# Altium PCB Notecarrier AF.PcbDoc (part 3 of 3)
Units mm, origin at the board's own origin, x right, y up, seen from the top; angles counter-clockwise.
Board outline 76.25 x 103 mm, 4 copper layers (Top Layer, Ground Plane, Power Plane, Bottom Layer), stack 1.43 mm thick; 84 components, 89 nets, 445 pads, 436 vias.
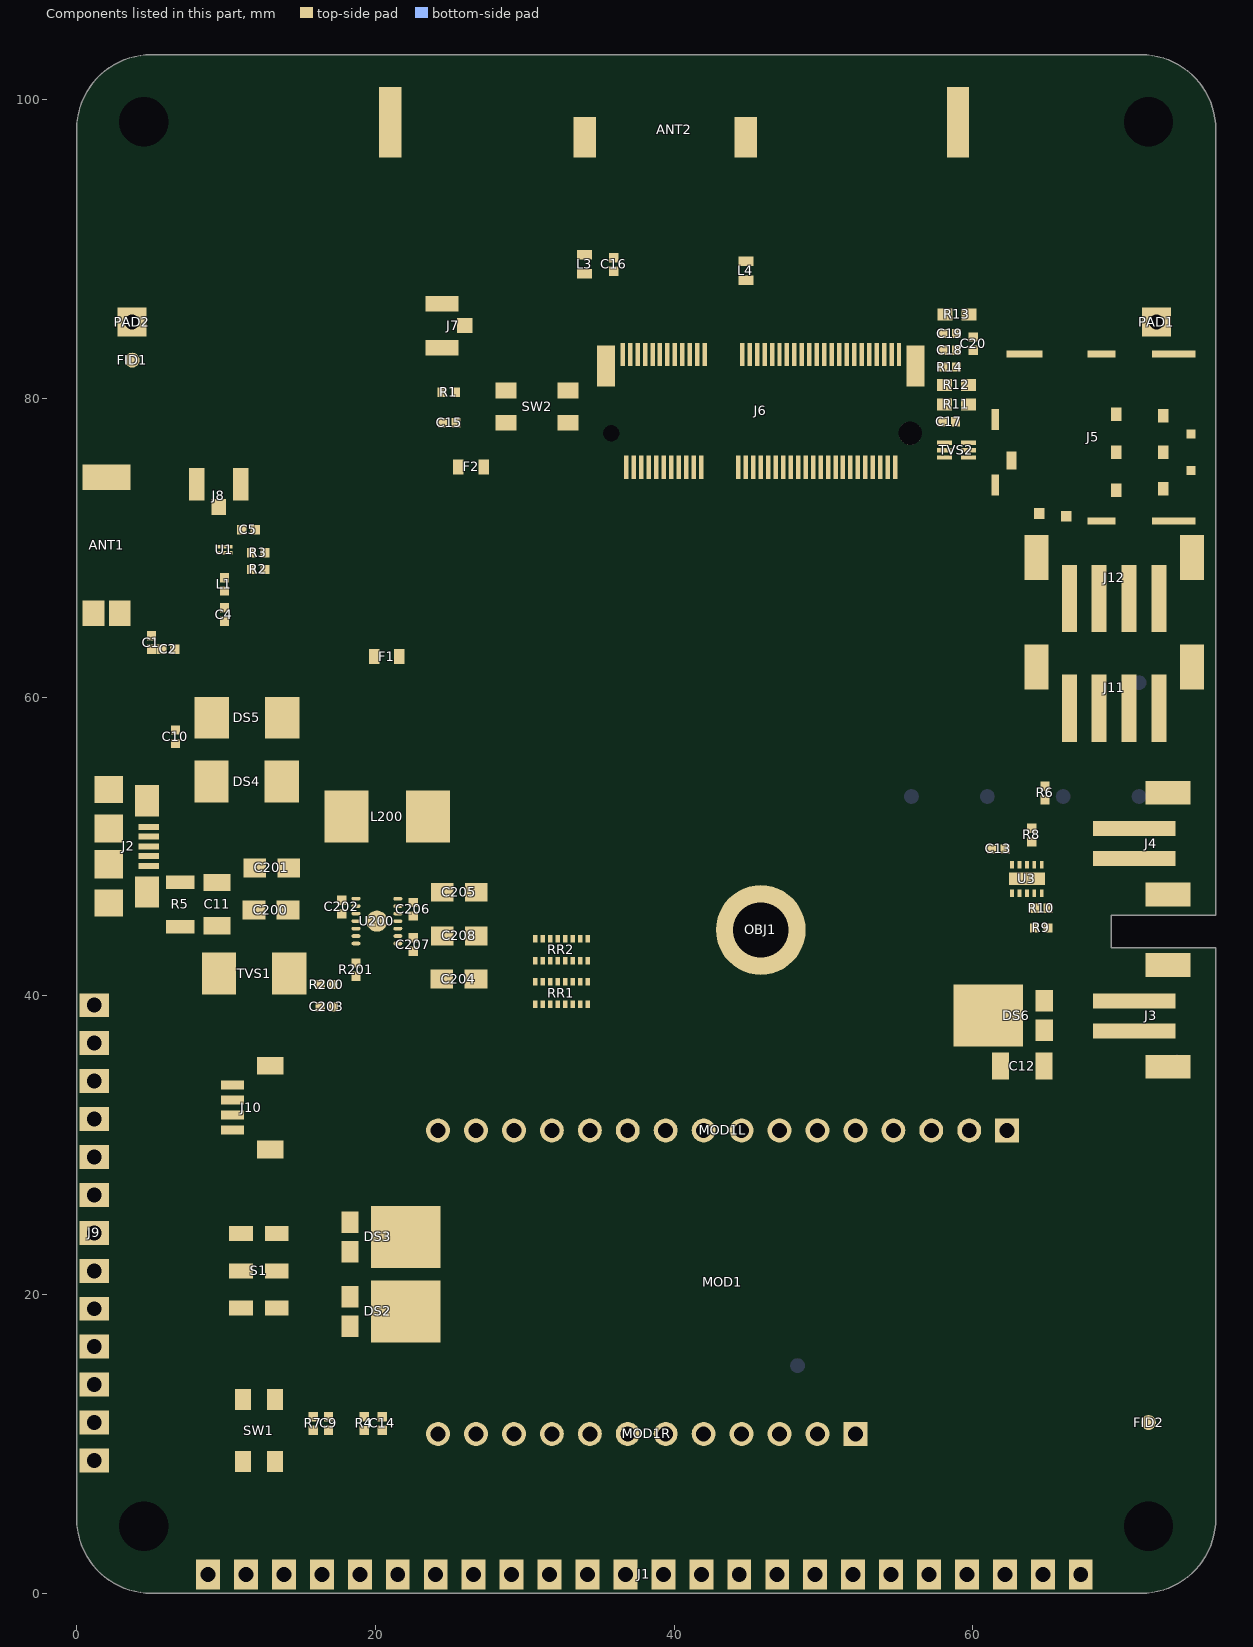
[diagram p5: the components of this part, seen from the top]

## Keep-outs
Top Layer:
  region: 65.835,74.334 65.835,79.634 62.169,79.634 62.169,74.334
  region: 75.176,72.905 75.176,79.884 65.835,79.884 65.835,72.905
Multi-Layer:
  region: 76.059,4.5 76.022,5.062 75.912,5.615 75.731,6.149 75.482,6.655 75.169,7.123 74.797,7.547 74.373,7.919 73.905,8.232 73.399,8.481 72.865,8.662 72.312,8.772 71.75,8.809 71.188,8.772 70.635,8.662 70.101,8.481 69.595,8.232 69.127,7.919 68.703,7.547 68.331,7.123 68.018,6.655 67.769,6.149 67.588,5.615 67.478,5.062 67.441,4.5 67.478,3.938 67.588,3.385 67.769,2.851 68.018,2.345 68.331,1.877 68.703,1.453 69.127,1.081 69.595,0.768 70.101,0.519 70.635,0.338 71.188,0.228 71.75,0.191 72.312,0.228 72.865,0.338 73.399,0.519 73.905,0.768 74.373,1.081 74.797,1.453 75.169,1.877 75.482,2.345 75.731,2.851 75.912,3.385 76.022,3.938 76.059,4.5
  region: 76.059,98.5 76.022,99.062 75.912,99.615 75.731,100.149 75.482,100.655 75.169,101.123 74.797,101.547 74.373,101.919 73.905,102.232 73.399,102.481 72.865,102.662 72.312,102.772 71.75,102.809 71.188,102.772 70.635,102.662 70.101,102.481 69.595,102.232 69.127,101.919 68.703,101.547 68.331,101.123 68.018,100.655 67.769,100.149 67.588,99.615 67.478,99.062 67.441,98.5 67.478,97.938 67.588,97.385 67.769,96.851 68.018,96.345 68.331,95.877 68.703,95.453 69.127,95.081 69.595,94.768 70.101,94.519 70.635,94.338 71.188,94.228 71.75,94.191 72.312,94.228 72.865,94.338 73.399,94.519 73.905,94.768 74.373,95.081 74.797,95.453 75.169,95.877 75.482,96.345 75.731,96.851 75.912,97.385 76.022,97.938 76.059,98.5
  region: 76.059,98.5 76.022,99.062 75.912,99.615 75.731,100.149 75.482,100.655 75.169,101.123 74.797,101.547 74.373,101.919 73.905,102.232 73.399,102.481 72.865,102.662 72.312,102.772 71.75,102.809 71.188,102.772 70.635,102.662 70.101,102.481 69.595,102.232 69.127,101.919 68.703,101.547 68.331,101.123 68.018,100.655 67.769,100.149 67.588,99.615 67.478,99.062 67.441,98.5 67.478,97.938 67.588,97.385 67.769,96.851 68.018,96.345 68.331,95.877 68.703,95.453 69.127,95.081 69.595,94.768 70.101,94.519 70.635,94.338 71.188,94.228 71.75,94.191 72.312,94.228 72.865,94.338 73.399,94.519 73.905,94.768 74.373,95.081 74.797,95.453 75.169,95.877 75.482,96.345 75.731,96.851 75.912,97.385 76.022,97.938 76.059,98.5
  region: 8.809,4.5 8.772,5.062 8.662,5.615 8.481,6.149 8.232,6.655 7.919,7.123 7.547,7.547 7.123,7.919 6.655,8.232 6.149,8.481 5.615,8.662 5.062,8.772 4.5,8.809 3.938,8.772 3.385,8.662 2.851,8.481 2.345,8.232 1.877,7.919 1.453,7.547 1.081,7.123 0.768,6.655 0.519,6.149 0.338,5.615 0.228,5.062 0.191,4.5 0.228,3.938 0.338,3.385 0.519,2.851 0.768,2.345 1.081,1.877 1.453,1.453 1.877,1.081 2.345,0.768 2.851,0.519 3.385,0.338 3.938,0.228 4.5,0.191 5.062,0.228 5.615,0.338 6.149,0.519 6.655,0.768 7.123,1.081 7.547,1.453 7.919,1.877 8.232,2.345 8.481,2.851 8.662,3.385 8.772,3.938 8.809,4.5
  region: 8.809,98.5 8.772,99.062 8.662,99.615 8.481,100.149 8.232,100.655 7.919,101.123 7.547,101.547 7.123,101.919 6.655,102.232 6.149,102.481 5.615,102.662 5.062,102.772 4.5,102.809 3.938,102.772 3.385,102.662 2.851,102.481 2.345,102.232 1.877,101.919 1.453,101.547 1.081,101.123 0.768,100.655 0.519,100.149 0.338,99.615 0.228,99.062 0.191,98.5 0.228,97.938 0.338,97.385 0.519,96.851 0.768,96.345 1.081,95.877 1.453,95.453 1.877,95.081 2.345,94.768 2.851,94.519 3.385,94.338 3.938,94.228 4.5,94.191 5.062,94.228 5.615,94.338 6.149,94.519 6.655,94.768 7.123,95.081 7.547,95.453 7.919,95.877 8.232,96.345 8.481,96.851 8.662,97.385 8.772,97.938 8.809,98.5
  region: 8.809,98.5 8.772,99.062 8.662,99.615 8.481,100.149 8.232,100.655 7.919,101.123 7.547,101.547 7.123,101.919 6.655,102.232 6.149,102.481 5.615,102.662 5.062,102.772 4.5,102.809 3.938,102.772 3.385,102.662 2.851,102.481 2.345,102.232 1.877,101.919 1.453,101.547 1.081,101.123 0.768,100.655 0.519,100.149 0.338,99.615 0.228,99.062 0.191,98.5 0.228,97.938 0.338,97.385 0.519,96.851 0.768,96.345 1.081,95.877 1.453,95.453 1.877,95.081 2.345,94.768 2.851,94.519 3.385,94.338 3.938,94.228 4.5,94.191 5.062,94.228 5.615,94.338 6.149,94.519 6.655,94.768 7.123,95.081 7.547,95.453 7.919,95.877 8.232,96.345 8.481,96.851 8.662,97.385 8.772,97.938 8.809,98.5
  region: 8.809,4.5 8.772,5.062 8.662,5.615 8.481,6.149 8.232,6.655 7.919,7.123 7.547,7.547 7.123,7.919 6.655,8.232 6.149,8.481 5.615,8.662 5.062,8.772 4.5,8.809 3.938,8.772 3.385,8.662 2.851,8.481 2.345,8.232 1.877,7.919 1.453,7.547 1.081,7.123 0.768,6.655 0.519,6.149 0.338,5.615 0.228,5.062 0.191,4.5 0.228,3.938 0.338,3.385 0.519,2.851 0.768,2.345 1.081,1.877 1.453,1.453 1.877,1.081 2.345,0.768 2.851,0.519 3.385,0.338 3.938,0.228 4.5,0.191 5.062,0.228 5.615,0.338 6.149,0.519 6.655,0.768 7.123,1.081 7.547,1.453 7.919,1.877 8.232,2.345 8.481,2.851 8.662,3.385 8.772,3.938 8.809,4.5

## Other copper
Top Layer:
  rectangle net NetF1_2: 20.671,63.18 23.409,65.25
  rectangle net VMAIN: 16,44.88 18.52,45.62
  rectangle net NetF1_2: 52.874,72.651 55.572,74.299
  rectangle net VMAIN: 19.713,19.738 26.75,23.104
  region net NetL200_2: 21.68,47.236 22.01,47.567 22.305,47.567 24.988,50.25 24.988,53.75 22.038,53.75 22.038,49.088 21.32,48.37 21.32,46 21.68,46
  region net NetL200_1: 18.52,46.62 16.588,48.552 16.588,53.75 19.538,53.75 19.538,50.25 18.88,49.592 18.88,46 18.52,46
  pour cut-out: 3.6,73.712 0,73.713 0,66.61 3.6,66.61 3.6,64.55 6.25,64.55 6.25,75.75 3.6,75.75
Bottom Layer:
  pour cut-out: 3.6,75.75 0,75.75 0,64.55 3.6,64.55 6.25,64.55 6.25,75.75
  text "'.BoardRevision'" at 73.939,78.209 h0.7 r90
Ground Plane (plane layer: these items are gaps in the copper):
  rectangle: 0,64.55 6.25,75.75
  pour cut-out: 0,88.099 0,98 cw(c5,98) 5,103 71.25,103 cw(c71.25,98) 76.25,98 76.25,88.099
Power Plane (plane layer: these items are gaps in the copper):
  circle w0.254: c45.798,44.406 r3.465
  rectangle: 6.394,75.393 7.281,76.135
  rectangle: 1.055,62.801 1.926,64.75
  rectangle: 0,64.55 6.823,76.134
  pour cut-out: 42.334,44.406 ccw(c45.798,44.406) 45.798,40.941 ccw(c45.798,44.406) 49.263,44.406 ccw(c45.798,44.406) 45.798,47.87 ccw(c45.798,44.406)
  pour cut-out: 0,87.705 0,98 cw(c5,98) 5,103 71.25,103 cw(c71.25,98) 76.25,98 76.25,87.705
  pour cut-out: 35,87.705 23,87.705 22.9,87.605 22.9,82.8 23.3,82.4 25.5,82.4 25.5,82.515 26.985,84 28.624,84 29.5,84.876 29.5,85.5 33.5,85.5 34,86 34.5,86 34.5,86.384 34.915,86.8
  lines w0.5: 0,15.227 4.25,15.227 4.25,12 ; 0,87.705 42,87.705 ; 4.25,12.5 4.25,50.555 11.208,50.555 11.208,58.525 13.75,61.067 13.75,80.898 ; 14.75,46.341 10.75,46.341 10.75,16.25 19.202,16.25 22.146,19.195 25.945,19.195 26.75,20 26.75,23.5 26,24.25 23,24.25 ; 19.627,47 19.627,50.5 23.128,50.5 60.032,50.5 60.032,40.153 ; 19.627,47.25 19.627,25.934 14.75,25.934 ; 19.627,47.341 19.627,48 ; 20.29,12 4.25,12 ; 26.75,32.95 34.763,32.95 ; 27.463,78.156 27.473,78.146 27.473,72.75 ; 37.065,42.735 37.065,36.847 37.079,36.861 ; 37.072,35.259 37.072,36.854 ; 42,81.75 42,87.705 ; 50.88,0 50.88,11.821 46.451,16.25 24.507,16.25 20.257,12 4.25,12 ; 60.032,48.75 60.032,40.153 ; 63.929,53.75 67.75,53.75 ; 67.722,36.847 67.75,36.875 ; 76.25,74.084 55.724,74.084 55.724,76.447 ; 13.75,80.898 27.473,80.898 27.473,72.75 ; 13.75,80.898 42,80.898 42,87.705 ; 14.75,25.934 14.75,22.25 21,22.25 23,24.25 ; 14.75,25.934 14.75,52.25 16.25,53.75 ; 16.25,53.75 67.75,53.75 ; 16.25,53.75 60.032,53.75 16.25,53.75 ; 16.25,53.75 16.25,61.25 63.929,61.25 63.929,40.153 60.032,40.153 ; 23,24.25 23,47.408 23.199,47.607 56.143,47.607 56.964,46.786 56.964,36.875 ; 27.473,72.75 38.798,72.75 ; 38.798,72.75 20.25,72.75 20.25,63.187 23.75,63.187 23.75,71.25 40.648,71.25 ; 38.798,72.75 38.798,76.447 55.724,76.447 ; 40.648,71.25 40.648,67.75 55.724,67.75 55.724,72.5 ; 40.648,71.25 40.648,74.406 52.638,74.406 52.638,72.5 55.724,72.5 ; 55.724,72.5 55.724,76.447 ; 56.964,36.875 67.75,36.875 ; 56.964,36.875 67.75,36.875 ; 67.75,36.875 67.75,53.75 ; 25.75,32.95 37.051,32.95 37.065,32.964 37.065,45.085 25.75,45.085 25.75,32.95

## Silkscreen, mask and mechanical layers (free items; w line width, h text height)
Top Overlay:
  lines w0.15: 10.009,14.622 10.708,14.622 ; 10.708,14.618 10.708,14.074 11.407,14.074 11.407,14.618 ; 11.407,14.613 12.105,14.613
  text "NOTECARRIER-AF" at 5.22,90.17 h1
  text "1.7" at 9.961,88.471 h1
  text "MAIN" at 18.191,84.3 h1
  text "RST" at 29.425,82.326 h1
  text "GPS" at 12.8,73.613 h1
  text "+" at 69.828,56.192 h1 r270
  text "-" at 72.072,56.192 h1 r270
  text "SCL" at 67.089,53.981 h1 r90
  text "SDA" at 69.057,53.918 h1 r90
  text "BATTERY" at 67.664,47.05 h1 r90
  text "AUX1" at 2.751,38.725 h1
  text "SOLAR" at 67.664,36.44 h1 r90
  text "AUX2" at 2.751,36.185 h1
  text "-" at 14.254,33.708 h0.76
  text "AUX3" at 2.751,33.645 h1
  text "+" at 14.254,32.532 h0.76
  text "SDA" at 14.254,31.458 h0.76
  text "AUX4" at 2.751,31.105 h1
  text "SCL" at 14.254,30.333 h0.76
  text "AUXRX" at 2.751,28.565 h1
  text "BATTERY" at 9.095,26.67 h1
  text "AUXTX" at 2.751,26.025 h1
  text "AUXEN" at 2.751,23.485 h1
  text "ON" at 8,22.25 h1
  text "ATTN" at 2.751,20.945 h1
  text "OFF" at 4.62,19.59 h1
  text "VUSB" at 2.751,18.405 h1
  text "VBAT" at 2.751,15.865 h1
  text "B0" at 12.543,13.753 h1
  text "<3V3" at 2.751,13.325 h1
  text "'.BoardRevision'" at 74.485,10.821 h0.6 r90
  text "<VMAIN" at 2.751,10.785 h1
  text "GND" at 2.751,8.245 h1
  text "RST" at 9.415,2.804 h1 r90
  text "EN" at 11.955,2.804 h1 r90
  text "SDA" at 14.495,2.804 h1 r90
  text "SCL" at 17.035,2.804 h1 r90
  text "5" at 19.575,2.804 h1 r90
  text "6" at 22.115,2.804 h1 r90
  text "9" at 24.655,2.804 h1 r90
  text "10" at 27.195,2.804 h1 r90
  text "11" at 29.735,2.804 h1 r90
  text "12" at 32.275,2.804 h1 r90
  text "13" at 34.815,2.804 h1 r90
  text "B0" at 37.355,2.804 h1 r90
  text "TX" at 39.895,2.804 h1 r90
  text "RX" at 42.435,2.804 h1 r90
  text "MISO" at 44.975,2.804 h1 r90
  text "MOSI" at 47.515,2.804 h1 r90
  text "SCK" at 50.055,2.804 h1 r90
  text "A5" at 52.595,2.804 h1 r90
  text "A4" at 55.135,2.804 h1 r90
  text "A3" at 57.675,2.804 h1 r90
  text "A2" at 60.215,2.804 h1 r90
  text "A1" at 62.755,2.804 h1 r90
  text "A0" at 65.295,2.804 h1 r90
  text "AREF" at 67.835,2.804 h1 r90
Top Solder:
  rectangle: 9.367,69.536 10.417,70.186
  rectangle: 19.31,43.575 20.89,46.425
Bottom Solder:
  rectangle: 19.31,43.575 20.89,46.425
DESIGN_OUTLINE:
  the board outline again, w0.254
LayerID:
  text "'.Printout_Name'" at 91.45,3.925 h1
  text "'.Plot_File_Name'" at 91.425,2.2 h1
Fab Notes:
  drawing of 268 lines, arcs and shapes, not listed
  text "5" at -46.541,218.904 h1.27
  text "5" at -46.541,218.904 h1.27
  text "4" at 35.349,218.904 h1.27
  text "4" at 35.349,218.904 h1.27
  text "3" at 117.033,218.904 h1.27
  text "3" at 117.033,218.904 h1.27
  text "2" at 198.867,218.904 h1.27
  text "2" at 198.867,218.904 h1.27
  text "1" at 280.373,218.904 h1.27
  text "1" at 280.373,218.904 h1.27
  text "D" at -94.674,177.502 h1.27
  text "D" at -94.674,177.502 h1.27
  text "D" at 322.648,177.502 h1.27
  text "D" at 322.648,177.502 h1.27
  text "C" at -94.577,105.874 h1.27
  text "C" at -94.577,105.874 h1.27
  text "C" at 322.745,105.874 h1.27
  text "C" at 322.745,105.874 h1.27
  text "TOP and BOTTOM thickness layer shown in the image above contains +20um (from IPC-A-600 Class 2) of plating" at 180.374,41.309 h1.27
  text "B" at -94.658,34.246 h1.27
  text "B" at -94.658,34.246 h1.27
  text "B" at 322.664,34.246 h1.27
  text "B" at 322.664,34.246 h1.27
  text "IMPEDANCE CONTROL TABLE" at 237.628,33.373 h1.31
  text "IMPEDANCE CONTROL TABLE" at 237.628,33.373 h1.31
  text "TRACE [MM]" at 206.495,29.29 h1.31
  text "TRACE [MM]" at 206.495,29.29 h1.31
  text "SPACING [MM]" at 230.715,29.29 h1.31
  text "SPACING [MM]" at 230.715,29.29 h1.31
  text "LAYER" at 185.244,29.173 h1.31
  text "LAYER" at 185.244,29.173 h1.31
  text "IMPEDANCE SINGLE-ENDED" at 249.717,29.173 h1.31
  text "IMPEDANCE SINGLE-ENDED" at 249.717,29.173 h1.31
  text "IMPEDANCE DIFFERENTIAL" at 274.417,29.173 h1.31
  text "IMPEDANCE DIFFERENTIAL" at 274.417,29.173 h1.31
  text "TOLLERANCE" at 305.195,29.173 h1.31
  text "TOLLERANCE" at 305.195,29.173 h1.31
  text "+/- 10%" at 306.764,25.69 h1.31
  text "+/- 10%" at 306.764,25.69 h1.31
  text "50 ohm" at 258.054,25.673 h1.31
  text "50 ohm" at 258.054,25.673 h1.31
  text "NA" at 284.013,25.673 h1.31
  text "NA" at 284.013,25.673 h1.31
  text "0.40" at 209.534,25.59 h1.31
  text "0.40" at 234.034,25.59 h1.31
  text "TOP" at 186.324,25.573 h1.31
  text "TOP" at 186.324,25.573 h1.31
  text "NA" at 258.077,22.304 h1.31
  text "90 ohm" at 284.036,22.304 h1.31
  text "+/- 10%" at 306.787,22.322 h1.31
  text "TOP" at 186.346,22.204 h1.31
  text "0.26" at 209.556,22.222 h1.31
  text "0.2" at 234.056,22.222 h1.31
  text "MANUFACTURING SPECIFICATIONS" at 235.179,7.473 h1.31
  text "MANUFACTURING SPECIFICATIONS" at 235.179,7.473 h1.31
  text "CLASS 2" at 286.564,3.373 h1.31
  text "CLASS 2" at 286.564,3.373 h1.31
  text "BOARD SIZE (XxYxZ)" at 176.186,3.298 h1.31
  text "BOARD SIZE (XxYxZ)" at 176.186,3.298 h1.31
  text "76.25x103.00x1.6mm" at 213.585,3.29 h1.31
  text "IPC-6012 - IPC-A-600" at 249.497,3.273 h1.31
  text "IPC-6012 - IPC-A-600" at 249.497,3.273 h1.31
  text "+-/0.2 | +/-0.2 | +/-10%" at 213.585,-0.01 h1.31
  text "+-/0.2 | +/-0.2 | +/-10%" at 213.585,-0.01 h1.31
  text "YES" at 286.464,-0.227 h1.31
  text "YES" at 286.464,-0.227 h1.31
  text "BOARD TOLLERANCE (X|Y|Z)" at 176.186,-0.302 h1.31
  text "BOARD TOLLERANCE (X|Y|Z)" at 176.186,-0.302 h1.31
  text "E-TESTING" at 249.597,-0.327 h1.31
  text "E-TESTING" at 249.597,-0.327 h1.31
  text "4" at 213.703,-3.527 h1.31
  text "4" at 213.703,-3.527 h1.31
  text "NO" at 286.564,-3.527 h1.31
  text "NO" at 286.564,-3.527 h1.31
  text "UL-MARKING" at 249.697,-3.627 h1.31
  text "UL-MARKING" at 249.697,-3.627 h1.31
  text "NO.OF LAYERS" at 176.281,-3.702 h1.31
  text "NO.OF LAYERS" at 176.281,-3.702 h1.31
  text "NO" at 286.564,-7.127 h1.31
  text "NO" at 286.564,-7.127 h1.31
  text "17um" at 213.434,-7.227 h1.31
  text "17um" at 213.434,-7.227 h1.31
  text "MICROVIA (hole < 100um)" at 249.697,-7.227 h1.31
  text "MICROVIA (hole < 100um)" at 249.697,-7.227 h1.31
  text "BASE COPPER OUTSIDE" at 176.228,-7.302 h1.31
  text "BASE COPPER OUTSIDE" at 176.228,-7.302 h1.31
  text "35um" at 213.434,-10.627 h1.31
  text "35um" at 213.434,-10.627 h1.31
  text "BASE COPPER INSIDE" at 176.228,-10.702 h1.31
  text "BASE COPPER INSIDE" at 176.228,-10.702 h1.31
  text "NO" at 286.564,-10.727 h1.31
  text "NO" at 286.564,-10.727 h1.31
  text "BLIND VIA" at 249.697,-10.827 h1.31
  text "BLIND VIA" at 249.697,-10.827 h1.31
  text "ENIG" at 213.723,-14.227 h1.31
  text "ENIG" at 213.723,-14.227 h1.31
  text "NO" at 286.564,-14.227 h1.31
  text "NO" at 286.564,-14.227 h1.31
  text "FINISH" at 176.169,-14.302 h1.31
  text "FINISH" at 176.169,-14.302 h1.31
  text "BURIED VIA" at 249.697,-14.327 h1.31
  text "BURIED VIA" at 249.697,-14.327 h1.31
  text "GREEN" at 213.644,-17.627 h1.31
  text "GREEN" at 213.644,-17.627 h1.31
  text "NO" at 286.564,-17.727 h1.31
  text "NO" at 286.564,-17.727 h1.31
  text "SOLDER COLOR" at 176.222,-17.802 h1.31
  text "SOLDER COLOR" at 176.222,-17.802 h1.31
  text "VIA FILL/VIA IN PAD" at 249.697,-17.827 h1.31
  text "VIA FILL/VIA IN PAD" at 249.697,-17.827 h1.31
  text "WHITE" at 213.744,-21.127 h1.31
  text "WHITE" at 213.744,-21.127 h1.31
  text "0.2mm" at 286.564,-21.127 h1.31
  text "0.2mm" at 286.564,-21.127 h1.31
  text "MIN. VIA SIZE" at 249.697,-21.227 h1.31
  text "MIN. VIA SIZE" at 249.697,-21.227 h1.31
  text "SILKSCREEN COLOR" at 176.236,-21.302 h1.31
  text "SILKSCREEN COLOR" at 176.236,-21.302 h1.31
  text "0.15mm" at 286.564,-24.627 h1.31
  text "0.15mm" at 286.564,-24.627 h1.31
  text "FR4-TG150" at 213.585,-24.727 h1.31
  text "FR4-TG150" at 213.585,-24.727 h1.31
  text "MIN.TRACE SPACING" at 249.697,-24.727 h1.31
  text "MIN.TRACE SPACING" at 249.697,-24.727 h1.31
  text "DIELECTRIC MATERIAL" at 176.264,-24.802 h1.31
  text "DIELECTRIC MATERIAL" at 176.264,-24.802 h1.31
  text "IMPEDANCE CONTROL" at 176.097,-28.227 h1.31
  text "IMPEDANCE CONTROL" at 176.097,-28.227 h1.31
  text "0.2mm" at 286.564,-28.227 h1.31
  text "0.2mm" at 286.564,-28.227 h1.31
  text "YES" at 213.313,-28.327 h1.31
  text "YES" at 213.313,-28.327 h1.31
  text "OUTER LAYER MIN.TRACE WIDTH" at 249.697,-28.327 h1.31
  text "OUTER LAYER MIN.TRACE WIDTH" at 249.697,-28.327 h1.31
  text "CTI" at 176.097,-31.727 h1.31
  text "CTI" at 176.097,-31.727 h1.31
  text "0.2mm" at 286.564,-31.727 h1.31
  text "0.2mm" at 286.564,-31.727 h1.31
  text "175V" at 213.313,-31.827 h1.31
  text "175V" at 213.313,-31.827 h1.31
  text "INNER LAYER MIN.TRACE WIDTH" at 249.697,-31.827 h1.31
  text "INNER LAYER MIN.TRACE WIDTH" at 249.697,-31.827 h1.31
  text "Project name" at 226.677,-36.175 h1.31
  text "Project name" at 226.677,-36.175 h1.31
  text "Board name" at 275.495,-36.227 h1.31
  text "Board name" at 275.495,-36.227 h1.31
  text "A" at -94.399,-37.382 h1.27
  text "A" at -94.399,-37.382 h1.27
  text "A" at 322.923,-37.382 h1.27
  text "A" at 322.923,-37.382 h1.27
  text "Notecarrier" at 241.315,-41.51 h1.31
  text "'.ProjectRevision'" at 254.635,-41.91 h1
  text "Designed by" at 226.677,-48.569 h1.31
  text "Designed by" at 226.677,-48.569 h1.31
  text "FAE Technology SpA - Gazzaniga (BG) - Italy" at 241.419,-48.692 h1.31
  text "FAE Technology SpA - Gazzaniga (BG) - Italy - Modified by ToyBuilder Labs" at 241.419,-48.692 h1.31
  text "Project Code" at 226.677,-53.395 h1.31
  text "Project Code" at 226.677,-53.395 h1.31
  text "Blues Inc" at 177.814,-56.177 h6
  text "Internal Code" at 226.619,-58.729 h1.31
  text "Internal Code" at 226.619,-58.729 h1.31
  text "-" at 286.303,-58.827 h1.31
  text "-" at 286.303,-58.827 h1.31
  text "-" at 241.492,-58.852 h1.31
  text "-" at 241.492,-58.852 h1.31
  text "Code" at 275.434,-58.927 h1.31
  text "Code" at 275.434,-58.927 h1.31
  text "Rev." at 227.833,-63.422 h1.31
  text "Rev." at 227.833,-63.422 h1.31
  text "Size Page" at 239.485,-63.41 h1.31
  text "Size Page" at 239.485,-63.41 h1.31
  text "Scale" at 262.344,-63.427 h1.31
  text "Scale" at 262.344,-63.427 h1.31
  text "Data" at 275.434,-65.527 h1.31
  text "Data" at 275.434,-65.527 h1.31
  text "1:1" at 263.423,-66.71 h1.31
  text "1:1" at 263.423,-66.71 h1.31
  text "A3" at 242.913,-66.827 h1.31
  text "A3" at 242.913,-66.827 h1.31
  text "Copyright (c) 2020 Blues Inc" at 176.865,-71.882 h1.16
  text "Copyright (c) 2020 Blues Inc" at 176.865,-71.882 h1.16
  text "5" at -46.541,-75.482 h1.27
  text "5" at -46.541,-75.482 h1.27
  text "4" at 35.349,-75.482 h1.27
  text "4" at 35.349,-75.482 h1.27
  text "3" at 117.033,-75.482 h1.27
  text "3" at 117.033,-75.482 h1.27
  text "2" at 198.867,-75.482 h1.27
  text "2" at 198.867,-75.482 h1.27
  text "1" at 280.373,-75.482 h1.27
  text "1" at 280.373,-75.482 h1.27
Temporary:
  lines w0.254: 0,88.099 76.25,88.099 ; 0,88.099 0,98 cw(c5,98) 5,103 71.25,103 cw(c71.25,98) 76.25,98 76.25,88.099 ; 0,88.099 0,5 ccw(c5,5) 5,0 71.25,0 ccw(c71.25,5) 76.25,5 76.25,43.2 69.25,43.2 69.25,45.4 76.25,45.4 76.25,88.099
Notecard Outline:
  drawing of 245 lines, arcs and shapes, not listed
  text "30" at 70.203,95.139 h1.31 r180
  text "19.85" at 70.264,92.322 h1.31 r180
  text "1.2" at 28.811,89.036 h1.31 r180
  text "17.025" at 70.352,89.036 h1.31 r180
  text "5.075" at 28.919,85.616 h1.31 r180
  text "R1" at 28.791,82.33 h1.31 r180
  text "5.075" at 70.331,81.416 h1.31 r180
  text "EDGE" at 59.777,80.609 h0.3 r180
  text "EDGE" at 36.027,80.559 h0.3 r180
  text "3.5" at 64.44,71.312 h1.31 r270
  text "6.955" at 64.423,50.592 h1.31 r270
  text "12.86" at 69.225,42.125 h1.31 r180
  text "18.781" at 22.76,40.988 h1.31 r270
  text "12.993" at 25.476,40.955 h1.31 r270
  text "6.492" at 28.159,40.767 h1.31 r270
  text "R1.75" at 43.573,40.75 h1.31 r180
  text "31" at 20.077,39.258 h1.31 r270
  text "35" at 17.127,39.191 h1.31 r270
  text "13.25" at 69.259,39.174 h1.31 r180
  text "14.26" at 69.225,35.72 h1.31 r180
Drill Drawing:
  circle w0.254: c-82.534,174.9 r0.508
  circle w0.254: c-82.534,174.9 r0.847
  lines w0.254: -83.381,167.28 -82.534,166.433 -81.687,167.28 -82.534,168.127 -83.381,167.28 ; -83.381,171.937 -81.687,171.937 -82.534,170.243 -83.381,171.937 ; -83.381,177.863 -81.687,177.863 -81.687,179.557 -83.381,179.557 -83.381,177.863 ; -83.381,181.673 -83.381,182.097 -82.957,182.52 -83.381,182.943 -83.381,183.367 -82.957,183.367 -82.534,182.943 -82.111,183.367 -81.687,183.367 -81.687,182.943 -82.111,182.52 -81.687,182.097 -81.687,181.673 -82.111,181.673 -82.534,182.097 -82.957,181.673 -83.381,181.673 ; -83.381,185.907 -82.957,185.907 -82.957,185.483 -82.111,185.483 -82.111,185.907 -81.687,185.907 -81.687,186.753 -82.111,186.753 -82.111,187.177 -82.957,187.177 -82.957,186.753 -83.381,186.753 -83.381,185.907 ; -83.381,189.293 -82.534,189.717 -81.687,189.293 -82.111,190.14 -81.687,190.987 -82.534,190.563 -83.381,190.987 -82.957,190.14 -83.381,189.293 ; -83.381,193.527 -82.957,193.527 -82.534,193.103 -82.111,193.527 -81.687,193.527 -82.111,193.95 -81.687,194.373 -82.111,194.373 -82.534,194.797 -82.957,194.373 -83.381,194.373 -82.957,193.95 -83.381,193.527 ; -83.042,178.202 -82.026,178.202 -82.026,179.218 -83.042,179.218 -83.042,178.202
  lines w0.381: -84.9,165.29 250.743,165.29 ; -84.9,195.77 250.743,195.77 ; -70.907,161.481 -70.907,199.581 ; -55.925,161.481 -55.925,199.581 ; -26.724,161.481 -26.724,199.581 ; -13.875,161.481 -13.875,199.581 ; 4.764,161.481 4.764,199.581 ; 42.853,161.481 42.853,199.581 ; 57.835,161.481 57.835,199.581 ; 76.778,161.481 76.778,199.581 ; 103.694,161.481 103.694,199.581 ; 125.38,161.481 125.38,199.581 ; 159.253,161.481 159.253,199.581 ; 193.127,161.481 193.127,199.581 ; 215.117,161.481 215.117,199.581 ; -84.9,161.481 250.743,161.481 250.743,199.581 -84.9,199.581 -84.9,161.481
  text "Symbol" at -82.614,196.913 h1.83
  text "Count" at -69.764,196.913 h1.83
  text "Hole Size" at -54.782,196.913 h1.83
  text "Plated" at -25.581,196.913 h1.83
  text "Hole Type" at -12.732,196.913 h1.83
  text "Drill Layer Pair" at 5.907,196.913 h1.83
  text "Via/Pad" at 43.996,196.913 h1.83
  text "Pad Shape" at 58.978,196.913 h1.83
  text "Template" at 77.921,196.913 h1.83
  text "Description" at 104.837,196.913 h1.83
  text "Hole Tolerance (+)" at 126.523,196.913 h1.83
  text "Hole Tolerance (-)" at 160.396,196.913 h1.83
  text "Hole Length" at 194.27,196.913 h1.83
  text "Routed Path Length" at 216.26,196.913 h1.83
  text "1" at -69.764,193.103 h1.52
  text "43.31mil (1.100mm)" at -54.782,193.103 h1.52
  text "NPTH" at -25.581,193.103 h1.52
  text "Round" at -12.732,193.103 h1.52
  text "Top Layer - Bottom Layer" at 5.907,193.103 h1.52
  text "Pad" at 43.996,193.103 h1.52
  text "Rounded" at 58.978,193.103 h1.52
  text "c100hn110" at 77.921,193.103 h1.52
  text "-" at 194.27,193.103 h1.52
  text "-" at 216.26,193.103 h1.52
  text "1" at -69.764,189.293 h1.52
  text "62.99mil (1.600mm)" at -54.782,189.293 h1.52
  text "NPTH" at -25.581,189.293 h1.52
  text "Round" at -12.732,189.293 h1.52
  text "Top Layer - Bottom Layer" at 5.907,189.293 h1.52
  text "Pad" at 43.996,189.293 h1.52
  text "Rounded" at 58.978,189.293 h1.52
  text "c152hn160" at 77.921,189.293 h1.52
  text "-" at 194.27,189.293 h1.52
  text "-" at 216.26,189.293 h1.52
  text "1" at -69.764,185.483 h1.52
  text "145.67mil (3.700mm)" at -54.782,185.483 h1.52
  text "PTH" at -25.581,185.483 h1.52
  text "Round" at -12.732,185.483 h1.52
  text "Top Layer - Bottom Layer" at 5.907,185.483 h1.52
  text "Pad" at 43.996,185.483 h1.52
  text "Rounded" at 58.978,185.483 h1.52
  text "c600h370z152" at 77.921,185.483 h1.52
  text "-" at 194.27,185.483 h1.52
  text "-" at 216.26,185.483 h1.52
  text "4" at -69.764,181.673 h1.52
  text "129.92mil (3.300mm)" at -54.782,181.673 h1.52
  text "NPTH" at -25.581,181.673 h1.52
  text "Round" at -12.732,181.673 h1.52
  text "Top Layer - Bottom Layer" at 5.907,181.673 h1.52
  text "Pad" at 43.996,181.673 h1.52
  text "Rounded" at 58.978,181.673 h1.52
  text "c100hn330(Tol0-0)" at 77.921,181.673 h1.52
  text "0.00mil (0.000mm)" at 126.523,181.673 h1.52
  text "0.00mil (0.000mm)" at 160.396,181.673 h1.52
  text "-" at 194.27,181.673 h1.52
  text "-" at 216.26,181.673 h1.52
  text "20" at -69.764,177.863 h1.52
  text "19.69mil (0.500mm)" at -54.782,177.863 h1.52
  text "PTH" at -25.581,177.863 h1.52
  text "Round" at -12.732,177.863 h1.52
  text "Top Layer - Bottom Layer" at 5.907,177.863 h1.52
  text "Via" at 43.996,177.863 h1.52
  text "Rounded" at 58.978,177.863 h1.52
  text "v100h50" at 77.921,177.863 h1.52
  text "-" at 194.27,177.863 h1.52
  text "-" at 216.26,177.863 h1.52
  text "20" at -69.764,174.053 h1.52
  text "28.00mil (0.711mm)" at -54.782,174.053 h1.52
  text "PTH" at -25.581,174.053 h1.52
  text "Round" at -12.732,174.053 h1.52
  text "Top Layer - Bottom Layer" at 5.907,174.053 h1.52
  text "Via" at 43.996,174.053 h1.52
  text "Rounded" at 58.978,174.053 h1.52
  text "v127h71" at 77.921,174.053 h1.52
  text "-" at 194.27,174.053 h1.52
  text "-" at 216.26,174.053 h1.52
  text "67" at -69.764,170.243 h1.52
  text "39.37mil (1.000mm)" at -54.782,170.243 h1.52
  text "PTH" at -25.581,170.243 h1.52
  text "Round" at -12.732,170.243 h1.52
  text "Top Layer - Bottom Layer" at 5.907,170.243 h1.52
  text "Pad" at 43.996,170.243 h1.52
  text "(Mixed)" at 58.978,170.243 h1.52
  text "(Mixed)" at 77.921,170.243 h1.52
  text "-" at 194.27,170.243 h1.52
  text "-" at 216.26,170.243 h1.52
  text "396" at -69.764,166.433 h1.52
  text "7.87mil (0.200mm)" at -54.782,166.433 h1.52
  text "PTH" at -25.581,166.433 h1.52
  text "Round" at -12.732,166.433 h1.52
  text "Top Layer - Bottom Layer" at 5.907,166.433 h1.52
  text "Via" at 43.996,166.433 h1.52
  text "Rounded" at 58.978,166.433 h1.52
  text "(Mixed)" at 77.921,166.433 h1.52
  text "-" at 194.27,166.433 h1.52
  text "-" at 216.26,166.433 h1.52
  text "510 Total" at -69.764,162.624 h1.52
DRAWING_ORIGIN:
  lines w0.025: 74.8,25 75.2,25 ; 75,24.8 75,25.2
XSECTION_CHART:
  region: 229.845,100.777 245.085,100.777 245.085,101.897 229.845,101.897
  region: 229.845,67.657 245.085,67.657 245.085,68.777 229.845,68.777
  dashed: 234.925,109.417 234.925,108.297 235.56,108.297 235.56,61.257 234.925,61.257 234.925,60.137 238.735,60.137 238.735,61.257 238.1,61.257 238.1,108.297 238.735,108.297 238.735,109.417 234.925,109.417
  region: 229.845,60.137 245.085,60.137 245.085,61.257 229.845,61.257
  region: 229.845,108.297 245.085,108.297 245.085,109.417 229.845,109.417
  lines w0.025: 229.845,59.497 245.085,59.497 245.085,60.137 229.845,60.137 229.845,59.497 ; 229.845,61.257 245.085,61.257 245.085,67.657 229.845,67.657 229.845,61.257 ; 229.845,68.777 245.085,68.777 245.085,100.777 229.845,100.777 229.845,68.777 ; 229.845,101.897 245.085,101.897 245.085,108.297 229.845,108.297 229.845,101.897 ; 229.845,109.417 245.085,109.417 245.085,110.057 229.845,110.057 229.845,109.417
  lines w0.381: 181.631,163.83 192.043,163.83 215.658,163.83 237.496,163.83 254.002,163.83 268.476,163.83 280.412,163.83 ; 181.631,166.878 192.043,166.878 215.658,166.878 237.496,166.878 254.002,166.878 268.476,166.878 280.412,166.878 ; 181.631,169.926 192.043,169.926 215.658,169.926 237.496,169.926 254.002,169.926 268.476,169.926 280.412,169.926 ; 181.631,172.974 192.043,172.974 215.658,172.974 237.496,172.974 254.002,172.974 268.476,172.974 280.412,172.974 ; 181.631,176.022 192.043,176.022 215.658,176.022 237.496,176.022 254.002,176.022 268.476,176.022 280.412,176.022 ; 181.631,179.07 192.043,179.07 215.658,179.07 237.496,179.07 254.002,179.07 268.476,179.07 280.412,179.07 ; 181.631,182.118 192.043,182.118 215.658,182.118 237.496,182.118 254.002,182.118 268.476,182.118 280.412,182.118 ; 181.631,185.166 192.043,185.166 215.658,185.166 237.496,185.166 254.002,185.166 268.476,185.166 280.412,185.166 ; 181.631,188.214 192.043,188.214 215.658,188.214 237.496,188.214 254.002,188.214 268.476,188.214 280.412,188.214 ; 181.631,191.262 192.043,191.262 215.658,191.262 237.496,191.262 254.002,191.262 268.476,191.262 280.412,191.262 ; 181.631,194.31 280.412,194.31 ; 192.043,197.358 192.043,160.782 ; 215.658,197.358 215.658,160.782 ; 237.496,197.358 237.496,160.782 ; 254.002,197.358 254.002,160.782 ; 268.476,197.358 268.476,160.782 ; 192.043,160.782 215.658,160.782 ; 192.043,160.782 181.631,160.782 181.631,197.358 280.412,197.358 280.412,160.782 268.476,160.782 ; 215.658,160.782 237.496,160.782 ; 237.496,160.782 254.002,160.782 ; 254.002,160.782 268.476,160.782
  text "For PCBWay Prototype:" at 194.945,204.47 h6
  text "Layer" at 183.409,195.072 h1.52
  text "Name" at 193.821,195.072 h1.52
  text "Material" at 217.436,195.072 h1.52
  text "Thickness" at 239.274,195.072 h1.52
  text "Constant" at 255.78,195.072 h1.52
  text "Gerber" at 270.254,195.072 h1.52
  text "Top Overlay" at 193.821,192.024 h1.52
  text "GTO" at 270.254,192.024 h1.52
  text "Top Solder" at 193.821,188.976 h1.52
  text "Solder Resist" at 217.436,188.976 h1.52
  text "0.010mm" at 239.274,188.976 h1.52
  text "3.5" at 255.78,188.976 h1.52
  text "GTS" at 270.254,188.976 h1.52
  text "1" at 183.409,185.928 h1.52
  text "Top Layer" at 193.821,185.928 h1.52
  text "Copper" at 217.436,185.928 h1.52
  text "0.035mm" at 239.274,185.928 h1.52
  text "GTL" at 270.254,185.928 h1.52
  text "Dielectric 1" at 193.821,182.88 h1.52
  text "FR-4" at 217.436,182.88 h1.52
  text "0.198mm" at 239.274,182.88 h1.52
  text "4.9" at 255.78,182.88 h1.52
  text "2" at 183.409,179.832 h1.52
  text "Ground Plane" at 193.821,179.832 h1.52
  text "Copper" at 217.436,179.832 h1.52
  text "0.035mm" at 239.274,179.832 h1.52
  text "GP1" at 270.254,179.832 h1.52
  text "Dielectric 3" at 193.821,176.784 h1.52
  text "FR-4" at 217.436,176.784 h1.52
  text "0.894mm" at 239.274,176.784 h1.52
  text "3.96" at 255.78,176.784 h1.52
  text "3" at 183.409,173.736 h1.52
  text "Power Plane" at 193.821,173.736 h1.52
  text "Copper" at 217.436,173.736 h1.52
  text "0.035mm" at 239.274,173.736 h1.52
  text "GP2" at 270.254,173.736 h1.52
  text "Dielectric 4" at 193.821,170.688 h1.52
  text "FR-4" at 217.436,170.688 h1.52
  text "0.198mm" at 239.274,170.688 h1.52
  text "4.9" at 255.78,170.688 h1.52
  text "4" at 183.409,167.64 h1.52
  text "Bottom Layer" at 193.821,167.64 h1.52
  text "Copper" at 217.436,167.64 h1.52
  text "0.035mm" at 239.274,167.64 h1.52
  text "GBL" at 270.254,167.64 h1.52
  text "Bottom Solder" at 193.821,164.592 h1.52
  text "Solder Resist" at 217.436,164.592 h1.52
  text "0.010mm" at 239.274,164.592 h1.52
  text "3.5" at 255.78,164.592 h1.52
  text "GBS" at 270.254,164.592 h1.52
  text "Bottom Overlay" at 193.821,161.544 h1.52
  text "GBO" at 270.254,161.544 h1.52
  text "Note: other 4-layer stackup for prototype is acceptable if L1-L2 and L3-L4 thickness is between 0.175mm and 0.225mm" at 199.39,152.4 h2
  text "FAE Stackup (For production):" at 187.96,118.11 h6
  text "1-4" at 236.83,110.417 h1 r90
  text "*  SURFACE - AIR 0 MM" at 245.085,110.39 h1
  text "* SOLDERMASK_TOP MASK - SOLDERMASK 0.02 MM" at 245.085,108.723 h1
  text "L1 TOP CONDUCTOR - COPPER 0.035 MM" at 245.085,107.39 h1
  text "*  DIELECTRIC - FR-4 0.2 MM" at 245.085,105.097 h1
  text "L2 GND PLANE - COPPER 0.035 MM" at 245.085,100.563 h1
  text "*  DIELECTRIC - FR-4 1 MM" at 245.085,84.777 h1
  text "L3 POWER PLANE - COPPER 0.035 MM" at 245.085,67.443 h1
  text "*  DIELECTRIC - FR-4 0.2 MM" at 245.085,64.457 h1
  text "L4 BOTTOM CONDUCTOR - COPPER 0.035 MM" at 245.085,59.923 h1
  text "* SOLDERMASK_BOTTOM MASK - SOLDERMASK 0.02 MM" at 245.085,58.59 h1
  text "*  SURFACE - AIR 0 MM" at 245.085,57.257 h1
  text "___________________________" at 226.665,54.86 h1
  text "DESIGN CROSS SECTION CHART" at 227.065,54.86 h1
  text "TOTAL THICKNESS 1.58 MM" at 228.265,53.06 h1

## Dimensions
76.25,5 to 0,5 on Fab Notes
71.25,0 to 71.25,103 on Fab Notes

## Text inside footprints (layer, text, board x,y; h text height)
ANT1: ASSEMBLY_TOP "KEEPOUT" at 5.4,66.75 h0.8 r90; FINISH_TOP "3" at 1.92,74.7 h0.2 r270; FINISH_TOP "1" at 2.795,65.6 h0.2 r270; FINISH_TOP "2" at 1.045,65.6 h0.2 r270
ANT2: ASSEMBLY_TOP "KEEPOUT AREA" at 34.9,93.1 h0.8; ASSEMBLY_TOP "SEE DATASHEET FOR TUNING PLACEMENT" at 22.7,91.5 h0.8; FINISH_TOP "1" at 20.92,98.46 h0.2 r90; FINISH_TOP "2" at 33.92,97.46 h0.2 r90; FINISH_TOP "3" at 44.72,97.46 h0.2 r90; FINISH_TOP "4" at 58.92,98.46 h0.2 r90
C1: FINISH_TOP "1" at 5.083,63.196 h0.2 r90; FINISH_TOP "2" at 5.083,64.096 h0.2 r90
C4: FINISH_TOP "1" at 9.815,65.973 h0.2 r270; FINISH_TOP "2" at 9.815,65.073 h0.2 r270
C5: FINISH_TOP "2" at 11.95,71.115 h0.2; FINISH_TOP "1" at 11.05,71.115 h0.2
C9: FINISH_TOP "1" at 16.942,10.922 h0.2 r90; FINISH_TOP "2" at 16.942,11.822 h0.2 r90
C10: FINISH_TOP "2" at 6.692,57.796 h0.2 r90; FINISH_TOP "1" at 6.692,56.896 h0.2 r90
C11: FINISH_TOP "2" at 9.487,47.528 h0.2 r90; FINISH_TOP "1" at 9.481,44.633 h0.2 r90
C12: FINISH_TOP "2" at 61.917,35.389 h0.2 r180; FINISH_TOP "1" at 64.811,35.383 h0.2 r180
C13: FINISH_TOP "1" at 62.156,49.914 h0.2 r180; FINISH_TOP "2" at 61.256,49.914 h0.2 r180
C14: FINISH_TOP "2" at 20.536,11.822 h0.2 r90; FINISH_TOP "1" at 20.536,10.922 h0.2 r90
C15: FINISH_TOP "2" at 24.5,78.443 h0.2 r180; FINISH_TOP "1" at 25.4,78.443 h0.2 r180
C16: FINISH_TOP "2" at 35.87,88.51 h0.2 r270; FINISH_TOP "1" at 35.87,89.41 h0.2 r270
C17: FINISH_TOP "2" at 57.938,78.514 h0.2 r180; FINISH_TOP "1" at 58.838,78.514 h0.2 r180
C18: FINISH_TOP "1" at 57.992,83.127 h0.2; FINISH_TOP "2" at 58.892,83.127 h0.2
C19: FINISH_TOP "2" at 58.892,84.247 h0.2; FINISH_TOP "1" at 57.992,84.247 h0.2
C20: FINISH_TOP "1" at 59.944,84.107 h0.2 r270; FINISH_TOP "2" at 59.944,83.207 h0.2 r270
C202: FINISH_TOP "2" at 17.83,46.4 h0.2 r90; FINISH_TOP "1" at 17.83,45.5 h0.2 r90
C203: FINISH_TOP "2" at 16.3,39.33 h0.2 r180; FINISH_TOP "1" at 17.2,39.33 h0.2 r180
C206: FINISH_TOP "2" at 22.607,46.242 h0.2 r90; FINISH_TOP "1" at 22.607,45.342 h0.2 r90
C207: FINISH_TOP "1" at 22.607,42.98 h0.2 r90; FINISH_TOP "2" at 22.607,43.88 h0.2 r90
DS2: FINISH_TOP "2" at 18.368,19.854 h0.2; FINISH_TOP "1" at 18.368,17.884 h0.2; FINISH_TOP "3" at 22.118,18.869 h0.2 r270
DS3: FINISH_TOP "3" at 22.118,23.859 h0.2 r270; FINISH_TOP "1" at 18.368,22.874 h0.2; FINISH_TOP "2" at 18.368,24.844 h0.2
DS4: FINISH_TOP "2" at 8.936,54.298 h0.2 r180; FINISH_TOP "1" at 13.625,54.266 h0.2 r180
DS5: FINISH_TOP "1" at 13.652,58.546 h0.2 r180; FINISH_TOP "2" at 8.963,58.578 h0.2 r180
DS6: FINISH_TOP "3" at 60.945,38.675 h0.2 r90; FINISH_TOP "1" at 64.695,39.66 h0.2 r180; FINISH_TOP "2" at 64.695,37.69 h0.2 r180
F1: FINISH_TOP "2" at 21.609,62.782 h0.2 r90; FINISH_TOP "1" at 19.909,62.782 h0.2 r90
F2: FINISH_TOP "1" at 25.55,75.486 h0.2 r90; FINISH_TOP "2" at 27.25,75.486 h0.2 r90
FID1: FINISH_TOP "1" at 3.635,82.55 h0.2
FID2: FINISH_TOP "1" at 71.67,11.43 h0.2
J2: ASSEMBLY_TOP "EDGE" at 0.9,58.7 h0.8 r270; ASSEMBLY_TOP "EDGE" at 0.9,45.1 h0.8 r270; FINISH_TOP "1" at 4.695,51.3 h0.2 r270; FINISH_TOP "2" at 4.695,50.65 h0.2 r270; FINISH_TOP "6" at 4.545,53.05 h0.2 r270; FINISH_TOP "3" at 4.695,50 h0.2 r270; FINISH_TOP "5" at 4.695,48.7 h0.2 r270; FINISH_TOP "4" at 4.695,49.35 h0.2 r270; FINISH_TOP "7" at 4.495,46.95 h0.2 r270; FINISH_TOP "8" at 1.97,51.2 h0.2 r270; FINISH_TOP "10" at 1.89,53.8 h0.2 r270; FINISH_TOP "9" at 1.97,48.8 h0.2 r270; FINISH_TOP "11" at 1.89,46.2 h0.2 r270
J3: PIN_NUMBER "2" at 70.72,37.653 h0.2; PIN_NUMBER "1" at 70.72,39.653 h0.2; ASSEMBLY_TOP "1" at 73.973,39.926 h0.4 r270
J4: PIN_NUMBER "2" at 70.72,49.189 h0.2; PIN_NUMBER "1" at 70.72,51.189 h0.2; ASSEMBLY_TOP "1" at 73.973,51.462 h0.4 r270
J5: SHAPE PROBLEMS "11" at 64.45,72.449 h0.2 r180; SHAPE PROBLEMS "10" at 66.25,72.274 h0.2 r90; SHAPE PROBLEMS "12" at 61.5,74.344 h0.2 r90; SHAPE PROBLEMS "9" at 68.6,71.869 h0.2 r180; SHAPE PROBLEMS "14" at 61.5,78.744 h0.2 r90; SHAPE PROBLEMS "13" at 62.575,75.994 h0.2 r90; SHAPE PROBLEMS "15" at 63.45,83.124 h0.2 r180; SHAPE PROBLEMS "16" at 68.6,83.124 h0.2 r180; SHAPE PROBLEMS "7" at 69.58,73.924 h0.2 r90; SHAPE PROBLEMS "8" at 73.45,71.869 h0.2 r180; SHAPE PROBLEMS "3" at 72.75,74.024 h0.2 r90; SHAPE PROBLEMS "19" at 74.6,75.324 h0.2 r90; SHAPE PROBLEMS "6" at 69.58,76.464 h0.2 r90; SHAPE PROBLEMS "1" at 72.75,78.904 h0.2 r90; SHAPE PROBLEMS "2" at 72.75,76.464 h0.2 r90; SHAPE PROBLEMS "5" at 69.58,79.004 h0.2 r90; SHAPE PROBLEMS "18" at 74.6,77.764 h0.2 r90; SHAPE PROBLEMS "17" at 73.45,83.124 h0.2 r180; DRAWING_ORIGIN "Only GND Trace" at 64.643,81.021 h0.3; DRAWING_ORIGIN "EDGE" at 75.175,68.134 h1 r90; DRAWING_ORIGIN "EDGE" at 75.175,83.164 h1 r90
J6: PIN_NUMBER "1" at 36.468,82.931 h0.2; PIN_NUMBER "15" at 39.888,82.931 h0.2; PIN_NUMBER "17" at 40.388,82.931 h0.2; PIN_NUMBER "19" at 40.888,82.931 h0.2; PIN_NUMBER "21" at 41.388,82.931 h0.2; PIN_NUMBER "23" at 41.888,82.931 h0.2; PIN_NUMBER "32" at 44.138,75.381 h0.2; PIN_NUMBER "34" at 44.638,75.381 h0.2; PIN_NUMBER "35" at 44.888,82.931 h0.2; PIN_NUMBER "36" at 45.138,75.381 h0.2; PIN_NUMBER "37" at 45.388,82.931 h0.2; PIN_NUMBER "41" at 46.388,82.931 h0.2; PIN_NUMBER "43" at 46.888,82.931 h0.2; PIN_NUMBER "44" at 47.138,75.381 h0.2; PIN_NUMBER "47" at 47.888,82.931 h0.2; PIN_NUMBER "49" at 48.388,82.931 h0.2; PIN_NUMBER "53" at 49.388,82.931 h0.2; PIN_NUMBER "55" at 49.888,82.931 h0.2; PIN_NUMBER "59" at 50.888,82.931 h0.2; PIN_NUMBER "61" at 51.388,82.931 h0.2; PIN_NUMBER "63" at 51.888,82.931 h0.2; PIN_NUMBER "66" at 52.638,75.381 h0.2; PIN_NUMBER "68" at 53.138,75.381 h0.2; PIN_NUMBER "69" at 53.388,82.931 h0.2; PIN_NUMBER "75" at 54.888,82.931 h0.2; PIN_NUMBER "22" at 41.638,75.381 h0.2; PIN_NUMBER "9" at 38.468,82.931 h0.2; PIN_NUMBER "7" at 37.968,82.931 h0.2; PIN_NUMBER "20" at 41.138,75.381 h0.2; PIN_NUMBER "48" at 48.138,75.381 h0.2; PIN_NUMBER "52" at 49.138,75.381 h0.2; PIN_NUMBER "50" at 48.638,75.381 h0.2; PIN_NUMBER "46" at 47.638,75.381 h0.2; PIN_NUMBER "40" at 46.138,75.381 h0.2; PIN_NUMBER "42" at 46.638,75.381 h0.2; PIN_NUMBER "13" at 39.388,82.931 h0.2; PIN_NUMBER "54" at 49.638,75.381 h0.2; PIN_NUMBER "56" at 50.138,75.381 h0.2; PIN_NUMBER "58" at 50.638,75.381 h0.2; PIN_NUMBER "60" at 51.138,75.381 h0.2; PIN_NUMBER "62" at 51.638,75.381 h0.2; PIN_NUMBER "64" at 52.138,75.381 h0.2; PIN_NUMBER "67" at 52.888,82.931 h0.2; PIN_NUMBER "65" at 52.388,82.931 h0.2; PIN_NUMBER "2" at 36.718,75.381 h0.2; PIN_NUMBER "4" at 37.218,75.381 h0.2; PIN_NUMBER "70" at 53.638,75.381 h0.2; PIN_NUMBER "74" at 54.638,75.381 h0.2; PIN_NUMBER "72" at 54.138,75.381 h0.2; PIN_NUMBER "6" at 37.718,75.381 h0.2; PIN_NUMBER "18" at 40.638,75.381 h0.2; PIN_NUMBER "11" at 38.888,82.931 h0.2; PIN_NUMBER "3" at 36.968,82.931 h0.2; PIN_NUMBER "33" at 44.388,82.931 h0.2; PIN_NUMBER "39" at 45.888,82.931 h0.2; PIN_NUMBER "45" at 47.388,82.931 h0.2; PIN_NUMBER "51" at 48.888,82.931 h0.2; PIN_NUMBER "57" at 50.388,82.931 h0.2; PIN_NUMBER "71" at 53.888,82.931 h0.2; PIN_NUMBER "73" at 54.388,82.931 h0.2; PIN_NUMBER "5" at 37.468,82.931 h0.2; PIN_NUMBER "8" at 38.218,75.381 h0.2; PIN_NUMBER "12" at 39.138,75.381 h0.2; PIN_NUMBER "10" at 38.638,75.381 h0.2; PIN_NUMBER "16" at 40.138,75.381 h0.2; PIN_NUMBER "14" at 39.638,75.381 h0.2; PIN_NUMBER "38" at 45.638,75.381 h0.2; ASSEMBLY_TOP "1" at 36.198,84.156 h0.4
J7: FINISH_TOP "1" at 25.903,84.858 h0.2 r90; FINISH_TOP "2" at 24.378,83.383 h0.2 r180; FINISH_TOP "3" at 24.378,86.333 h0.2 r180
J8: FINISH_TOP "3" at 10.985,74.327 h0.2 r90; FINISH_TOP "2" at 8.035,74.327 h0.2 r90; FINISH_TOP "1" at 9.51,72.802 h0.2
J11: PIN_NUMBER "4" at 72.37,59.254 h0.2 r180; PIN_NUMBER "3" at 70.37,59.254 h0.2 r180; PIN_NUMBER "2" at 68.37,59.254 h0.2 r180; PIN_NUMBER "1" at 66.37,59.254 h0.2 r180; ASSEMBLY_TOP "1" at 64.657,57.33 h0.4
J12: PIN_NUMBER "1" at 66.37,66.597 h0.2 r180; PIN_NUMBER "2" at 68.37,66.597 h0.2 r180; PIN_NUMBER "3" at 70.37,66.597 h0.2 r180; PIN_NUMBER "4" at 72.37,66.597 h0.2 r180; ASSEMBLY_TOP "1" at 64.657,64.672 h0.4
L1: FINISH_TOP "1" at 9.895,67.913 h0.2 r270; FINISH_TOP "2" at 9.895,67.013 h0.2 r270
L3: FINISH_TOP "2" at 33.92,89.6 h0.2 r180; FINISH_TOP "1" at 33.92,88.32 h0.2 r180
L4: FINISH_TOP "1" at 44.88,89.18 h0.2; FINISH_TOP "2" at 44.88,87.9 h0.2
MOD1: Top Overlay "Feather" at 35.563,19.065 h2.54; Top Overlay "RST" at 61.909,28.352 h0.86 r270; Top Overlay "A3" at 44.129,28.352 h0.86 r270; Top Overlay "GND" at 54.289,28.352 h0.86 r270; Top Overlay "TX" at 26.349,28.352 h0.86 r270; Top Overlay "B0" at 23.809,28.352 h0.86 r270; Top Overlay "MISO" at 31.429,28.352 h0.76 r270; Top Overlay "MOSI" at 33.969,28.352 h0.76 r270; Top Overlay "A5" at 39.049,28.352 h0.86 r270; Top Overlay "A4" at 41.589,28.352 h0.86 r270; Top Overlay "A2" at 46.669,28.352 h0.86 r270; Top Overlay "A0" at 51.749,28.352 h0.86 r270; Top Overlay "ARef" at 56.829,28.352 h0.86 r270; Top Overlay "3V3" at 59.369,28.352 h0.86 r270; Top Overlay "RX" at 28.889,28.352 h0.86 r270; Top Overlay "SCK" at 36.509,28.352 h0.86 r270; Top Overlay "A1" at 49.209,28.352 h0.86 r270; Top Overlay "5" at 28.889,13.897 h0.86 r270; Top Overlay "BAT" at 51.749,15.624 h0.86 r270; Top Overlay "SCL" at 26.349,15.624 h0.86 r270; Top Overlay "SDA" at 23.809,15.624 h0.86 r270; Top Overlay "6" at 31.429,13.897 h0.86 r270; Top Overlay "13" at 44.129,14.617 h0.86 r270; Top Overlay "12" at 41.589,14.617 h0.86 r270; Top Overlay "USB" at 46.669,15.624 h0.86 r270; Top Overlay "En" at 49.209,14.761 h0.86 r270; Top Overlay "9" at 33.969,13.897 h0.86 r270; Top Overlay "10" at 36.509,14.617 h0.86 r270; Top Overlay "11" at 39.049,14.329 h0.86 r270
OBJ1: FINISH_TOP "1" at 45.718,44.406 h0.2 r270
PAD1: PIN_NUMBER "1" at 72.215,85.09 h0.2 r90
PAD2: PIN_NUMBER "1" at 3.635,85.09 h0.2 r90
R1: FINISH_TOP "2" at 24.537,80.406 h0.2 r180; FINISH_TOP "1" at 25.438,80.406 h0.2 r180
R2: FINISH_TOP "2" at 12.531,68.54 h0.2; FINISH_TOP "1" at 11.631,68.54 h0.2
R3: FINISH_TOP "1" at 12.691,69.66 h0.2 r180; FINISH_TOP "2" at 11.791,69.66 h0.2 r180
R4: FINISH_TOP "2" at 19.25,11.742 h0.2 r90; FINISH_TOP "1" at 19.25,10.842 h0.2 r90
R5: FINISH_TOP "2" at 7.033,47.551 h0.2 r90; FINISH_TOP "1" at 7.036,44.554 h0.2 r90
R6: FINISH_TOP "1" at 64.828,53.049 h0.2 r90; FINISH_TOP "2" at 64.828,53.949 h0.2 r90
R7: FINISH_TOP "1" at 15.842,10.842 h0.2 r90; FINISH_TOP "2" at 15.842,11.742 h0.2 r90
R8: FINISH_TOP "1" at 63.929,50.235 h0.2 r90; FINISH_TOP "2" at 63.929,51.135 h0.2 r90
R9: FINISH_TOP "1" at 65.106,44.544 h0.2 r180; FINISH_TOP "2" at 64.206,44.544 h0.2 r180
R10: FINISH_TOP "1" at 65.107,45.864 h0.2 r180; FINISH_TOP "2" at 64.207,45.864 h0.2 r180
R11: PIN_NUMBER "1" at 58.035,79.497 h0.2; PIN_NUMBER "2" at 59.629,79.477 h0.2
R12: PIN_NUMBER "2" at 59.629,80.777 h0.2; PIN_NUMBER "1" at 58.035,80.797 h0.2
R13: PIN_NUMBER "1" at 58.071,85.521 h0.2; PIN_NUMBER "2" at 59.666,85.501 h0.2
R14: FINISH_TOP "2" at 58.072,82.087 h0.2 r180; FINISH_TOP "1" at 58.972,82.087 h0.2 r180
R200: FINISH_TOP "1" at 16.22,40.75 h0.2; FINISH_TOP "2" at 17.12,40.75 h0.2
R201: FINISH_TOP "2" at 18.7,42.12 h0.2 r90; FINISH_TOP "1" at 18.7,41.22 h0.2 r90
RR1: FINISH_TOP "16" at 30.703,41.091 h0.2; FINISH_TOP "14" at 31.703,41.091 h0.2; FINISH_TOP "15" at 31.203,41.091 h0.2; FINISH_TOP "12" at 32.703,41.091 h0.2; FINISH_TOP "13" at 32.203,41.091 h0.2; FINISH_TOP "10" at 33.703,41.091 h0.2; FINISH_TOP "11" at 33.203,41.091 h0.2; FINISH_TOP "2" at 31.203,39.511 h0.2; FINISH_TOP "1" at 30.703,39.511 h0.2; FINISH_TOP "4" at 32.203,39.511 h0.2; FINISH_TOP "3" at 31.703,39.511 h0.2; FINISH_TOP "6" at 33.203,39.511 h0.2; FINISH_TOP "5" at 32.703,39.511 h0.2; FINISH_TOP "9" at 34.203,41.011 h0.2; FINISH_TOP "7" at 33.703,39.511 h0.2; FINISH_TOP "8" at 34.203,39.511 h0.2
RR2: FINISH_TOP "10" at 33.703,43.993 h0.2; FINISH_TOP "9" at 34.203,43.913 h0.2; FINISH_TOP "11" at 33.203,43.993 h0.2; FINISH_TOP "12" at 32.703,43.993 h0.2; FINISH_TOP "13" at 32.203,43.993 h0.2; FINISH_TOP "8" at 34.203,42.413 h0.2; FINISH_TOP "7" at 33.703,42.413 h0.2; FINISH_TOP "6" at 33.203,42.413 h0.2; FINISH_TOP "5" at 32.703,42.413 h0.2; FINISH_TOP "4" at 32.203,42.413 h0.2; FINISH_TOP "14" at 31.703,43.993 h0.2; FINISH_TOP "15" at 31.203,43.993 h0.2; FINISH_TOP "3" at 31.703,42.413 h0.2; FINISH_TOP "16" at 30.703,43.993 h0.2; FINISH_TOP "2" at 31.203,42.413 h0.2; FINISH_TOP "1" at 30.703,42.413 h0.2
TVS1: FINISH_TOP "1" at 14.125,41.416 h0.2 r180; FINISH_TOP "2" at 9.436,41.448 h0.2 r180
TVS2: SHAPE PROBLEMS "6" at 59.637,76.934 h0.2; SHAPE PROBLEMS "5" at 59.637,76.434 h0.2; SHAPE PROBLEMS "4" at 59.637,75.934 h0.2; SHAPE PROBLEMS "2" at 58.027,76.434 h0.2; SHAPE PROBLEMS "1" at 58.027,76.934 h0.2; SHAPE PROBLEMS "3" at 58.027,75.934 h0.2
U1: FINISH_TOP "2" at 9.892,69.981 h0.2; FINISH_TOP "1" at 10.292,69.981 h0.2; FINISH_TOP "6" at 10.292,69.581 h0.2; FINISH_TOP "5" at 9.892,69.581 h0.2; FINISH_TOP "3" at 9.492,69.981 h0.2; FINISH_TOP "4" at 9.492,69.581 h0.2
U3: PIN_NUMBER "8" at 63.53,48.774 h0.2 r90; PIN_NUMBER "5" at 64.53,46.874 h0.2 r90; PIN_NUMBER "4" at 64.03,46.874 h0.2 r90; PIN_NUMBER "6" at 64.53,48.774 h0.2 r90; PIN_NUMBER "7" at 64.03,48.774 h0.2 r90; PIN_NUMBER "2" at 63.03,46.874 h0.2 r90; PIN_NUMBER "1" at 62.53,46.874 h0.2 r90; PIN_NUMBER "3" at 63.53,46.874 h0.2 r90; PIN_NUMBER "11" at 63.45,47.824 h0.2 r90; PIN_NUMBER "10" at 62.45,48.774 h0.2 r90; PIN_NUMBER "9" at 63.03,48.774 h0.2 r90